# Altium PCB stm32pcb.PcbDoc
Units mil, origin at the board's own origin, x right, y up, seen from the top; angles counter-clockwise.
Board outline 3936.61 x 1653.54 mil, 2 copper layers (Top Layer, Bottom Layer); 30 components, 27 nets, 135 pads, 71 vias.
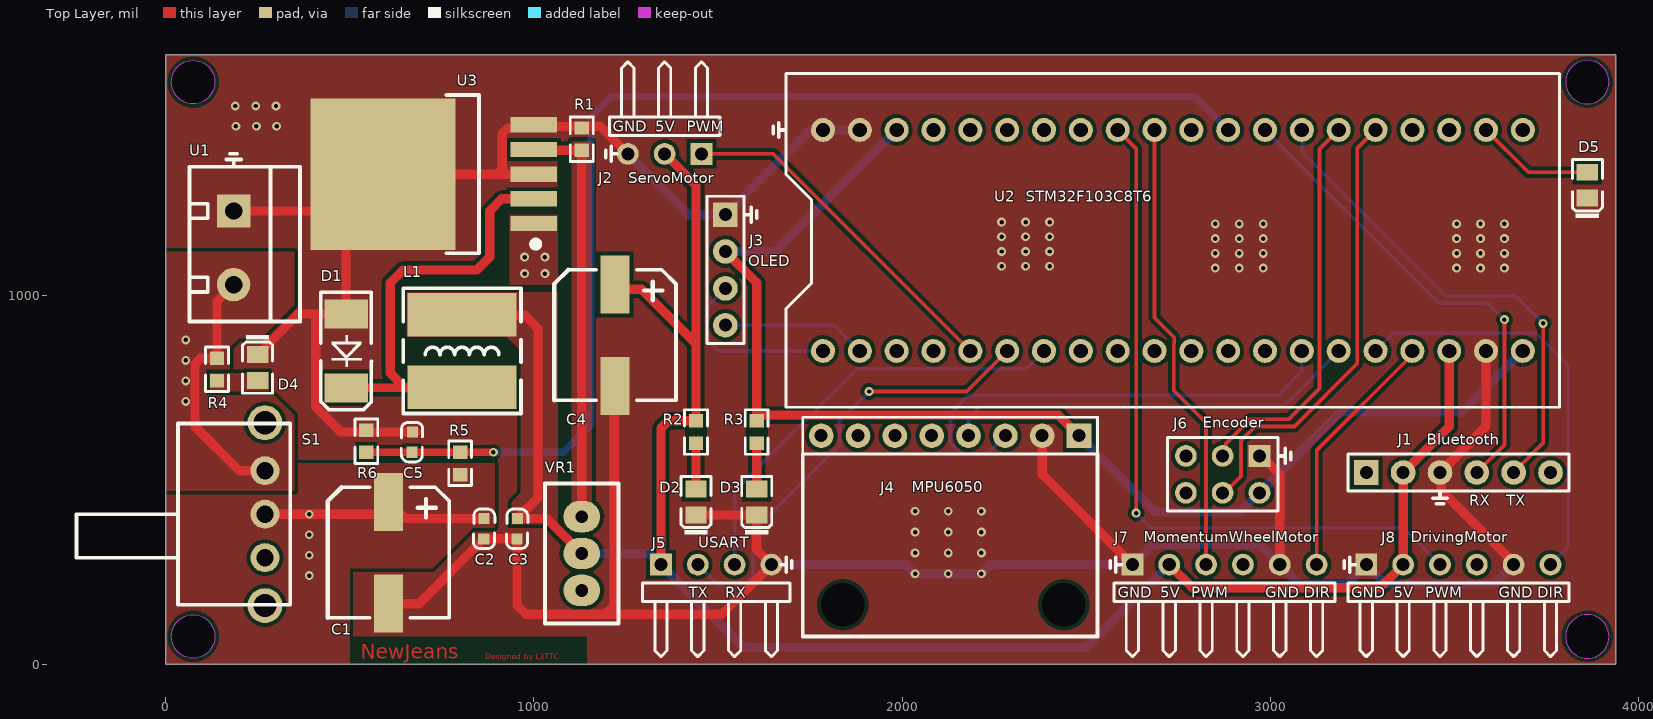
[diagram p0: Top Layer view]
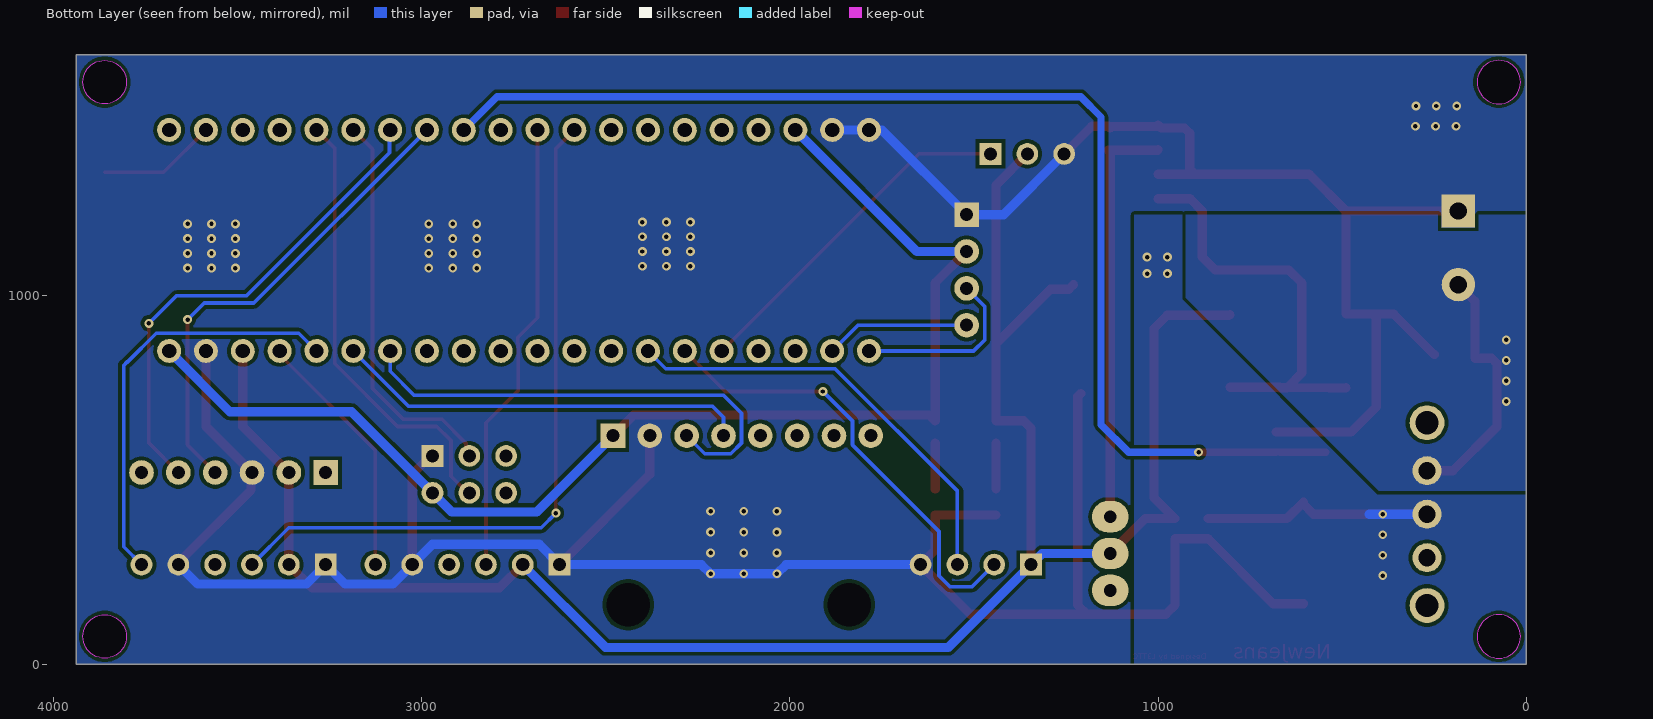
[diagram p1: Bottom Layer view, seen from below]

## Layer stack, top to bottom
Top Solder: solder mask 0.4, Solder Resist, Dk 3.5
Top Layer: signal copper 1.4
Dielectric 1: dielectric 12.6, FR-4, Dk 4.8
Bottom Layer: signal copper 1.4
Bottom Solder: solder mask 0.4, Solder Resist, Dk 3.5

## Board outline
0,0 0,1653.54 3936.61,1653.54 3936.61,0
cut-out: 3800.94,1580 ccw(c3860,1580) 3860,1520.94 ccw(c3860,1580) 3919.06,1580 ccw(c3860,1580) 3860,1639.06 ccw(c3860,1580)
cut-out: 3800.94,75 ccw(c3860,75) 3860,15.94 ccw(c3860,75) 3919.06,75 ccw(c3860,75) 3860,134.06 ccw(c3860,75)
cut-out: 75,1520.94 cw(c75,1580) 15.94,1580 cw(c75,1580) 75,1639.06 cw(c75,1580) 134.06,1580 cw(c75,1580)
cut-out: 75,15.94 cw(c75,75) 15.94,75 cw(c75,75) 75,134.06 cw(c75,75) 134.06,75 cw(c75,75)

## Design rules (kind name [scope] priority, off if disabled: settings)
Clearance [All] p1: gap=10 ignorepadtopadclearanceinfootprint=FALSE except(0: Arc-Hole Track-Hole SMDPad-Hole THPad-Hole Via-Hole Fill-Hole Poly-Hole Region-Hole Text-Hole)
PolygonConnect [All] p1: connectstyle=Direct reliefconductorwidth=10 reliefentries=4 polygonreliefangle="90 Angle" airgapwidth=10
RoutingVias [All] p1: holewidth=12 width=24 viastyle="Through Hole" minholewidth=12 minwidth=24 maxholewidth=12 maxwidth=24
SolderMaskExpansion [All] p1: expansion=4 istentingtop=FALSE
Width GNDandVCC [InNetClass('GNDandVCC')] p1: maxlimit=60 minlimit=25 preferedwidth=25
Width signal [InNetClass('signal')] p2: maxlimit=10 minlimit=10 preferedwidth=10
30 further rules are at their usual default settings.

## Classes and differential pairs
net class signal: DIR1 DIR2 ENCODER_A ENCODER_B MPU_SCL MPU_SDA NetD1_K NetD2_A NetD3_A NetD4_A NetR1_1 OLED_SCL OLED_SDA PWM1 PWM2 PWMS USART1_RX USART1_TX USART2_BLUE_RX USART2_BLUE_TX
net class GNDandVCC: 3.3V 5V 48V GND NetD1_K NetD2_A NetD3_A NetD4_A NetR1_1 VBAT

## Components (designator, comment, footprint, x,y, rotation, side; value= is the part's Value field where it differs from the comment)
C1 "100uF/63V" SMD-EC8X8X10 610,170 r270 top
C2 "0.01uF" 0603C 863.65,339.79 r90 top
C3 "0.01uF" 0603C 953.65,339.79 r90 top
C4 "220uF/35V" SMD-EC8X8X10 1225,760 r270 top
C5 "0.1uF" 0603C 670.35,630.21 r270 top
D1 "IN5824" SMA/DO-214AC 490,945 r270 top
D2 "GREEN" 0805_LED_S1 1440,440 r90 top
D3 "GREEN" 0805_LED_S1 1605,440 r90 top
D4 "GREEN" 0805_LED_S1 250,805 r270 top
D5 "GREEN" 0805_LED_S1 3860,1300 r90 top
J1 "Female HDR1X6" "BLUETOOTH MODULE" 3260,520 r0 top
J2 "Pin HDR1X3" "Pin HDR1X3/2.54mm-W - duplicate" 1455,1385 r180 top
J3 "Female HDR1X4" "OLED MODULE 0.96" 1520,1220 r270 top
J4 "Female HDR1X8" MPU6050-MODULE 2267,612 r270 top
J5 "Pin HDR1X4" "Pin HDR1X4/2.54mm-W - duplicate" 1345,270 r0 top
J6 "Encoder_XY" "Pin HDR2X3/2.54mm-S" 2970,565 r180 top
J7 "Pin HDR1X6" "Pin HDR1X6/2.54mm-W" 2625,270 r0 top
J8 "Pin HDR1X6" "Pin HDR1X6/2.54mm-W" 3260,270 r0 top
L1 "33uH" CD75 805,850 r90 top
R1 "330Ω" 0603_R 1130,1425 r90 top
R2 "4K7Ω" 0603_R 1440,630.08 r270 top
R3 "3K3Ω" 0603_R 1605,630 r270 top
R4 "47KΩ" 0603_R 140,800 r270 top
R5 "47KΩ" 0603_R 800,544.68 r90 top
R6 "1kΩ" 0603_R 545,605 r90 top
S1 "SS-12F23" SS-12F23 270,654.92 r270 top
U1 "POWER" KF301-5.0-2P 185,1230 r270 top
U2 "STM32F103C8T6 MODULE" "STM32F103C8T6 MODULE" 2735,1150 r90 top
U3 "LM2596-5.0" TO263-5A 727,1331 r90 top
VR1 "10K" 3296W 1130,300 r270 top

## Footprints (in the part's own frame and the unit in brackets; to place one, negate y for a bottom-side part, rotate by r counter-clockwise, add the part's x,y. Pads: shape width x height; smd on the part's side, far side on the other; paste and mask are expansions set on the pad)
0603_R [mm]
  rect 0.93x0.98 smd: 1(-0.77,0) 2(0.77,0)
  silkscreen extent -1.53,-0.79 1.54,0.79, body extent -0.85,-0.4 0.85,0.4, height 0.56
0603C [mil]
  rect 30x30 smd: 1(0.21,-0.35) 2(55.21,-1.35)
  silkscreen extent -26,-30 81,28, body extent -1,-15 62,17, height 12
0805_LED_S1 [mm]
  rect 1.16x1.47 smd: A(0.89,0) K(-0.89,0)
  silkscreen extent -2.25,-1.03 1.77,1.03, body extent -1.01,-0.62 1.01,0.62, height 1.1
3296W [mil]
  oval 85x100 hole 35: 1(-100,0) 2(0,0) 3(100,0)
  silkscreen extent -190,-100 190,100, body extent -188,-94 188,94, height 455
"BLUETOOTH MODULE" [mm] "蓝牙模块"
  rect 1.7x1.7 hole 0.9: 1(0,0)
  round 1.7 hole 0.9: 2(2.54,0) 3(5.08,0) 4(7.62,0) 5(10.16,0) 6(12.7,0)
  silkscreen extent -1.27,-1.27 13.97,1.27, body extent -1.65,-6.6 14.45,1.27, height 45.75
CD75 [mm] "7.8*7*5mm（长宽高）"
  rect 3x7.5 smd: 1(-2.5,0) 2(2.5,0)
  silkscreen extent -4.32,-4.06 4.32,4.06, body extent -3.85,-3.44 3.85,3.56, height 5.15
KF301-5.0-2P [mm] "可拼接端子/6A"
  rect 2.3x2.3 hole 1.2: 1(0,0)
  round 2.3 hole 1.2: 2(5.08,0)
  silkscreen extent -3.05,-3.05 7.62,4.57, body extent -3,-3.09 7.5,4.51, height 10.05
MPU6050-MODULE [mm] "六轴姿态传感器模块"
  rect 1.7x1.7 hole 0.9: 1(-0.203,5.41)
  round 1.7 hole 0.9: 2(-0.203,2.87) 3(-0.203,0.33) 4(-0.203,-2.21) 5(-0.203,-4.75) 6(-0.203,-7.29) 7(-0.203,-9.83) 8(-0.203,-12.37)
  silkscreen extent -1.47,-13.64 1.07,6.68, body extent -1.55,-13.67 13.7,6.65, height 12.77
"OLED MODULE 0.96" [mm] "0.96寸OLED显示屏"
  rect 1.7x1.7 hole 0.9: 1(0,0)
  round 1.7 hole 0.9: 2(2.54,0) 3(5.08,0) 4(7.62,0)
  silkscreen extent -1.27,-1.27 8.89,1.27, body extent -9.65,-25.46 17.05,2.4, height 13.47
"Pin HDR1X3/2.54mm-W - duplicate" [mm] "Connector; Header; 3 Position; Right Angle"
  rect 1.5x1.5 hole 0.9: 1(0,0)
  round 1.5 hole 0.9: 2(2.54,0) 3(5.08,0)
  silkscreen extent -1.27,-6.35 6.35,-1.27, body extent -1.27,-9.97 6.35,0.38, height 2.54
"Pin HDR1X4/2.54mm-W - duplicate" [mm] "Connector; Header; 4 Position; Right Angle"
  rect 1.5x1.5 hole 0.9: 1(0,0)
  round 1.5 hole 0.9: 2(2.54,0) 3(5.08,0) 4(7.62,0)
  silkscreen extent -1.27,-6.35 8.89,-1.27, body extent -1.27,-10 8.89,0.35, height 2.54
"Pin HDR1X6/2.54mm-W" [mm] "Connector; Header; 6 Position; Right Angle"
  rect 1.5x1.5 hole 0.9: 1(0,0)
  round 1.5 hole 0.9: 2(2.54,0) 3(5.08,0) 4(7.62,0) 5(10.16,0) 6(12.7,0)
  silkscreen extent -1.27,-6.35 13.97,-1.27, body extent -1.27,-9.97 13.97,0.38, height 2.54
"Pin HDR2X3/2.54mm-S" [mm] "Connector; Header; 3x2 Position"
  rect 1.5x1.5 hole 0.9: 1(0,0)
  round 1.5 hole 0.9: 2(0,2.54) 3(2.54,0) 4(2.54,2.54) 5(5.08,0) 6(5.08,2.54)
  silkscreen extent -1.27,-1.27 6.35,3.81, body extent -1.27,-1.27 6.35,3.81, height 7.58
SMA/DO-214AC [mm] "塑封二极管"
  rect 2x3 smd: A(-0.127,0) K(4.953,0)
  silkscreen extent -1.63,-1.75 6.48,1.75, body extent 0.11,-1.35 4.71,1.35, height 2.4
SMD-EC8X8X10 [mm]
  rect 4x2 smd: 1(-6.858,-0.127) 2(0.142,-0.127)
  silkscreen extent -7.88,-4.32 1.12,4.08, body extent -8.38,-4.28 1.52,4.02, height 10.2
SS-12F23 [mm]
  round 2.4 hole 1.6: 0(0,0) 0(12.6,0)
  round 2 hole 1.2: 1(3.3,0) 2(6.3,0) 3(9.3,0)
  silkscreen extent 0.05,-13 12.55,1.75, body extent -0.14,-12.27 12.86,0.64, height 5.75
"STM32F103C8T6 MODULE" [mil]
  round 65 hole 39: 1(-300,950) 2(-300,850) 3(-300,750) 4(-300,650) 5(-300,550) 6(-300,450) 7(-300,350) 8(-300,250) 9(-300,150) 10(-300,50) 11(-300,-50) 12(-300,-150) 13(-300,-250) 14(-300,-350) 15(-300,-450) 16(-300,-550) 17(-300,-650) 18(-300,-750) 19(-300,-850) 20(-300,-950) 21(300,-950) 22(300,-850) 23(300,-750) 24(300,-650) 25(300,-550) 26(300,-450) 27(300,-350) 28(300,-250) 29(300,-150) 30(300,-50) 31(300,50) 32(300,150) 33(300,250) 34(300,350) 35(300,450) 36(300,550) 37(300,650) 38(300,750) 39(300,850) 40(300,950)
  silkscreen extent -453,-1050 453,1050, body extent -443,-1239 443,1070, height 768
TO263-5A [mm]
  rect 1.05x3.2 smd: 1(-3.425,-6.934) 2(-1.725,-6.934) 3(-0.025,-6.934) 4(1.675,-6.934) 5(3.375,-6.934)
  rect 10.45x10 smd: 3(-0.025,3.48)
  silkscreen extent -5.49,-7.26 5.44,-0.9, body extent -5.03,-6.94 4.97,6.38, height 4.5

## Part data
C1 C4: library part SMD_ECAP, "贴片电解电容"
C2 C3 C5: library part CAP_1, "无极性电容"
D1: library part "DIODE SCHOTTKY", "肖特基二极管"
D2 D3 D4 D5: library part "0805 翠绿", "发光二极管", Package=0805, SuppliersPartNumber=C2297, ComponentLink1Description=供应商链接, ComponentLink1URL=http://www.szlcsc.com/product/details_2670.html, Supplier=LC
J6: "正交编码器"
L1: library part INDUCTOR, "INDUCTOR"
R1 R2 R3 R4 R5 R6: library part "0603 330Ω (3300) 1%", "贴片电阻", Package=0603, SuppliersPartNumber=C23138, ComponentLink1Description=供应商链接, ComponentLink1URL=http://www.szlcsc.com/product/details_23865.html, Supplier=LC
U1: library part 电源焊点
U3: "DC降压芯片"
VR1: library part RESVR

## Free pads (board coordinates)
  round 60 hole 118.11 unplated: 0(1839.06,160.94) 0(2439.06,160.94)

## Via types
v1: diameter 24, hole 12, Top Layer to Bottom Layer, 71 vias

## Nets (pads, with @x,y where several pads share a name; then routed paths per layer and width w, separated by ;. In a path a pad name is that pad's centre, name@x,y a point inside that pad or via, vN(x,y) a via of type N, cw(c..) or ccw(c..) an arc to the next point about the centre after c; other vN are vias at no path point)
3.3V: J3.2 J4.1 J6.2 R3.1 U2.20 U2.38 | length 3473.1
  Top Layer w25: J3.2 1605,1035 R3.1 1605.98,660.31 1621.67,676 1724,676 2424,676 J4.1
  Bottom Layer w25: J3.2 1655,1120 U2.38 ; J4.1 2687.03,412.97 2917.97,412.97 J6.2 3190,685 3520,685 U2.20
5V: C3.2 C4.1 J1.2 J2.2 J5.1 J7.2 J8.2 L1.2 R2.1 U2.18 VR1.2 | length 5597.5
  Top Layer w25: L1.2 806.69,946.73 975.49,946.73 1011,911.23 1011,451 C3.2 1035,395 VR1.2 ; C4.1@1230,1030 1242.23,1017.77 1292.23,1017.77 1440,870 ; J5.1 1345,640 1365.39,660.39 R2.1 1440,870 ; J2.2 1440,1300 1440,870 ; J7.2 2788,207 3297,207 J8.2 J1.2 3485,645 U2.18
  Bottom Layer w25: VR1.2 1315,300 J5.1 1570,45 2500,45 J7.2
48V: C1.1 C2.2 R5.1 S1.2 U3.1 | length 787.9
  Top Layer w25: S1.2 578.13,406.89 605,433.76 C1.1 650,395 C2.2
  Bottom Layer w25: S1.2 390.08,406.89 426.89,406.89
  other v1: 390,240 390,295.58 390,351.16 390.08,406.74 975,1060 1030,1060 975,1105 1030,1105
AD_V: C5.2 R5.2 R6.1 U2.29 | length 3263.8
  Top Layer w10: R6.1 R6.1@545.31,575 ; C5.2@673.69,579.69 674,580 C5.2@679,575
  Top Layer w20: R6.1@545.31,575 C5.2 ; C5.2@679,575 R5.2 v1(890,575)
  Bottom Layer w20: v1(890,575) 1080,575 1155.13,650.13 1155.13,1485.13 1210,1540 2795,1540 U2.29
DIR1: J7.6 U2.17 | length 687.7
  Top Layer w10: J7.6 3125,580 3385,840 U2.17
DIR2: J8.6 U2.16 | length 1140.3
  Bottom Layer w10: U2.16 3333,898 3720,898 3798,820 3799.14,820 3808.46,810.68 3808.46,318.46 J8.6
ENCODER_A: J6.3 U2.26 | length 1074.9
  Top Layer w10: J6.3@2875,565 2878.99,568.99 2878.99,598.99 2945,665 3050,665 3133,748 3133,1398 U2.26
ENCODER_B: J6.4 U2.25 | length 1217.3
  Top Layer w10: J6.4@2875,465 2920,510 2920,606.72 2958.28,645 3065,645 3235,815 3235,1400 U2.25
GND: C1.2 C2.1 C3.1 C4.2 C5.1 D1.A D2.K D3.K D4.K D5.K J1.3 J2.3 J3.1 J4.2 J5.4 J6.1 J7.1 J7.5 J8.1 J8.5 R1.2 R6.2 U1.1 U2.19 U2.39 U2.40 U3.3 U3.5 | length 9219
  Top Layer w25: U1.1 U3.3@490,1230 ; D4.K 359.96,950 408,950 418,950 ; C1.2 605,164 688,164 C2.1 937,340 C3.1 954,160 979,135 1193,135 ; C5.1@680,630 C5.1 545,630 476,630 408,698 408,940 418,950 ; U3.3@1000,1330 899.36,1330 ; C4.2@1210,734.41 1218,726.41 1218,160 1193,135 ; J2.3 1180,1460 1134.68,1460 R1.2 1125.69,1459.63 1004.23,1459.63 U3.5 991.83,1455.69 928.64,1455.69 914,1441.04 914,1344.64 899.36,1330 ; D2.K D3.K 1605,310 J5.4 1510,135 1193,135 ; J4.2 2380,515 J7.1 ; J6.1@2975,565 2975,560 2987.03,547.97 2992.03,547.97 3025,515 J7.5 ; U2.19 3585,645 J1.3 3462.68,517.32 3462.68,472.32 3660,275 J8.5 ; 418,950 D1.A U3.3@490,1230 ; U3.3@490,1230 590,1330 899.36,1330
  Bottom Layer w25: J2.3 1420,1220 J3.1 1750,1450 U2.40 U2.39 ; J5.4 2010,270 v1(2035,245) v1(2215,245) 2240,270 J7.1 2680,325 2970,325 3078,217 3207,217 J8.1 3313,217 3607,217 J8.5
  other v1: 2125,245 2035,301.67 2125,301.67 2215,301.67 2035,358.33 2125,358.33 2215,358.33 2035,415 2125,415 2215,415 2850,1075 2915,1075 2980,1075 3505,1075 3570,1075 3635,1075 2270,1080 2335,1080 2400,1080 2850,1115 2915,1115 2980,1115 3505,1115 3570,1115 3635,1115 2270,1120 2335,1120 2400,1120 2850,1155 2915,1155 2980,1155 3505,1155 3570,1155 3635,1155 2270,1160 2335,1160 2400,1160 2850,1195 2915,1195 2980,1195 3505,1195 3570,1195 3635,1195 2270,1200 2335,1200 2400,1200 191.16,1459.92 246.74,1459.92 301.74,1459.92 189.42,1515.08 245,1515 300,1515
MPU_SCL: J4.3 U2.14 | length 1318.5
  Bottom Layer w10: J4.3 2231,571 2160,571 2131,600 2131,681 2180,730 3020,730 3085,795 U2.14
MPU_SDA: J4.4 U2.15 | length 1129.6
  Bottom Layer w10: J4.4 2180,670 2210,700 3035,700 U2.15
NetD1_K: D1.K L1.1 U3.2 | length 1184.9
  Top Layer w10: 642,759.57 650,751.57
  Top Layer w25: D1.K 536.56,749.37 536.64,749.37 645.12,750.45 650.01,750.5 ; 649.51,750.49 610,790 610,1035 645,1070 845,1070 880,1105 880,1230 913.07,1263.07 U3.2 ; 650.02,750.04 L1.1@669.86,750.23 ; L1.1@669.86,751.57 L1.1
NetD2_A: D2.A R2.2 | length 124.7
  Top Layer w25: D2.A R2.2
NetD3_A: D3.A R3.2 | length 124.6
  Top Layer w25: D3.A R3.2
NetD4_A: D4.A R4.2
NetD5_A: D5.A U2.22 | length 322.6
  Top Layer w10: U2.22 3699.96,1335.04 D5.A
NetR1_1: R1.1 U3.4 VR1.1 | length 1131.1
  Top Layer w25: U3.4 1001.93,1395 R1.1@1130,1395 ; VR1.1 R1.1@1130,1395 ; R1.1@1135.31,1395 R1.1@1130,1395
OLED_SCL: J3.3 U2.1 | length 486.7
  Bottom Layer w10: J3.3 1471,971 1471,880 1501,850 U2.1
OLED_SDA: J3.4 U2.2 | length 394
  Bottom Layer w10: J3.4 1815,920 U2.2
PWM1: J7.3 U2.31 | length 1238.7
  Top Layer w10: U2.31 2685,940 2738.3,886.7 2738.3,870.48 2737.5,869.68 2737.5,742.5 2825,655 J7.3
PWM2: J8.3 U2.32 | length 1943.7
  Top Layer w10: U2.32 2635,1400 v1(2635,410)
  Bottom Layer w10: v1(2635,410) 2675,370 3360,370 J8.3
PWMS: J2.1 U2.5 | length 951.6
  Top Layer w10: J2.1 1650,1385 U2.5
USART1_RX: J5.3 U2.7 | length 1197.4
  Bottom Layer w10: J5.3 1545,470 1877,802 2337,802 U2.7
USART1_TX: J5.2 U2.6 | length 1238.3
  Top Layer w10: v1(1910,740) 2175,740 U2.6
  Bottom Layer w10: J5.2 1505,210 1565,210 1595,240 1595,360 1830,595 1830,660 v1(1910,740)
USART2_BLUE_RX: J1.4 U2.28 | length 1309.4
  Top Layer w10: J1.4 3635,595 v1(3635,935)
  Bottom Layer w10: U2.28 3455,980 3590,980 v1(3635,935)
USART2_BLUE_TX: J1.5 U2.27 | length 1345.7
  Top Layer w10: J1.5 3740,600 v1(3740,925)
  Bottom Layer w10: U2.27 3086.64,1448.36 3086.64,1388.36 3475,1000 3665,1000 v1(3740,925)
VBAT: R4.1 S1.1 U1.2 | length 694.8
  Top Layer w25: U1.2 140,985 R4.1 94.64,830.31 80,815.67 80,645 200,525 S1.1
  other v1: 54.92,713.26 54.92,768.84 54.92,824.42 55,880
pads on no net: J1.1 J1.6 J4.5 J4.6 J4.7 J4.8 J6.5 J6.6 J7.4 J8.4 S1.0 S1.3 U2.3 U2.4 U2.8 U2.9 U2.10 U2.11 U2.12 U2.13 U2.21 U2.23 U2.24 U2.30 U2.33 U2.34 U2.35 U2.36 U2.37 VR1.3

## Polygon pours and split planes (outlines as drawn)
5V on Top Layer "NONET_L04_P-001" (solid, remove dead copper, pour order 6): 655,1010 655,890 925,890 965,850 965,465 940,440 940,380 1065,380 1065,1010
GND on Top Layer "NONET_L04_P-001" (solid, remove dead copper, pour order 8): 0,1655 3935,1655 3935,0 0,0
48V on Top Layer "NONET_L04_P-001" (solid, remove dead copper, pour order 1): 0,545 900,545 900,370 835,370 725,260 500,260 500,0 0,0
NetR1_1 on Top Layer "NONET_L04_P-001" (solid, remove dead copper, pour order 9): 1102.5,1420 1102.5,370 1157.5,370 1157.5,1420
48V on Top Layer "NONET_L04_P-001" (solid, remove dead copper, pour order 3): 935,1220 1065,1220 1065,1030 935,1030
NetD4_A on Top Layer "NONET_L04_P-001" (solid, remove dead copper, pour order 2): 110,790 280,790 280,730 110,730
VBAT on Top Layer "NONET_L04_P-001" (solid, remove dead copper, pour order 0): 0,1120 350,1120 350,975 260,885 200,885 175,860 175,800 110,800 110,730 295,730 350,675 350,470 0,470
GND on Bottom Layer "NONET_L04_P-001" (solid, remove dead copper, pour order 7): 0,1655 3935,1655 3935,0 0,0
48V on Bottom Layer "NONET_L04_P-001" (solid, remove dead copper, pour order 4): 0,460 405,460 935,990 935,1220 1065,1220 1065,0 0,0
VBAT on Bottom Layer "NONET_L04_P-001" (solid, remove dead copper, pour order 5): 0,470 1065,470 1065,1220 0,1220

## Other copper
Top Layer:
  pour cut-out: 856.57,74.99 1145,75 1145,-5 1099.01,40.99 856.57,40.99
  pour cut-out: 1065,1375 1065,1290 1100,1290 1100,1375
  text "NewJeans" at 530,15 h40
  text "Designed by L3TTC" at 868,13 h15

## Silkscreen, mask and mechanical layers (free items; w line width, h text height)
Top Overlay:
  lines w10: 165,1370 205,1370 ; 175,1385 195,1385 ; 185,1355 185,1370 ; 1195,1375 1195,1395 ; 1210,1365 1210,1405 ; 1210,1385 1225,1385 ; 1575,1220 1590,1220 ; 1590,1200 1590,1240 ; 1605,1210 1605,1230 ; 1650,1440 1650,1460 ; 1665,1430 1665,1470 ; 1665,1450 1680,1450 ; 1670,270 1685,270 ; 1685,250 1685,290 ; 1700,260 1700,280 ; 1730,570 1730,75 2530,75 2530,570 ; 2565,260 2565,280 ; 2580,250 2580,290 ; 2580,270 2595,270 ; 3025,565 3040,565 ; 3040,545 3040,585 ; 3055,555 3055,575 ; 3200,260 3200,280 ; 3215,250 3215,290 ; 3215,270 3230,270 ; 3440,450 3480,450 ; 3450,435 3470,435 ; 3460,450 3460,465
  text "GND" at 1214.48,1444.76 h30
  text "5V" at 1329.48,1444.76 h30
  text "PWM" at 1414.48,1444.76 h30
  text "ServoMotor" at 1256,1306 h30
  text "STM32F103C8T6" at 2336,1255.34 h30
  text "OLED" at 1582.55,1080.08 h30
  text "Encoder" at 2816,641 h30
  text "Bluetooth" at 3423.4,595.48 h30
  text "MPU6050" at 2026,466 h30
  text "RX" at 3540,430 h30
  text "TX" at 3640,430 h30
  text "MomentumWheelMotor" at 2656,331 h30
  text "DrivingMotor" at 3381,331 h30
  text "USART" at 1446,316 h30
  text "TX" at 1420,180 h30
  text "RX" at 1520,180 h30
  text "GND" at 2585,180 h30
  text "5V" at 2700,180 h30
  text "PWM" at 2785,180 h30
  text "GND" at 2985,180 h30
  text "DIR" at 3090,180 h30
  text "GND" at 3219.48,179.76 h30
  text "5V" at 3334.48,179.76 h30
  text "PWM" at 3419.48,179.76 h30
  text "GND" at 3619.48,179.76 h30
  text "DIR" at 3724.48,179.76 h30
Top Solder:
  text "NewJeans" at 530,15 h40
  text "Designed by L3TTC" at 868,13 h15
Mechanical 1:
  circle w10: c3860,1580 r59.06
  circle w10: c3860,75 r59.06
  circle w10: c75,1580 r59.06
  circle w10: c75,75 r59.06
  lines w15: 0,0 3936.61,0 3936.61,1653.54 0,1653.54 0,0